# Altium PCB OCP-TimeCardMini-TI_V1.PcbDoc (part 11 of 11)
Units mil, origin at the board's own origin, x right, y up, seen from the top; angles counter-clockwise.
Board outline 5300.46 x 4396.02 mil, 10 copper layers (L01-TOP, L02-GND, L03-SIG, L04-GND, L05-PWR, L06-PWR, L07-GND, L08-SIG, L09-GND, L10-BOT), stack 77.164 mil thick; 832 components, 574 nets, 2904 pads, 1473 vias.
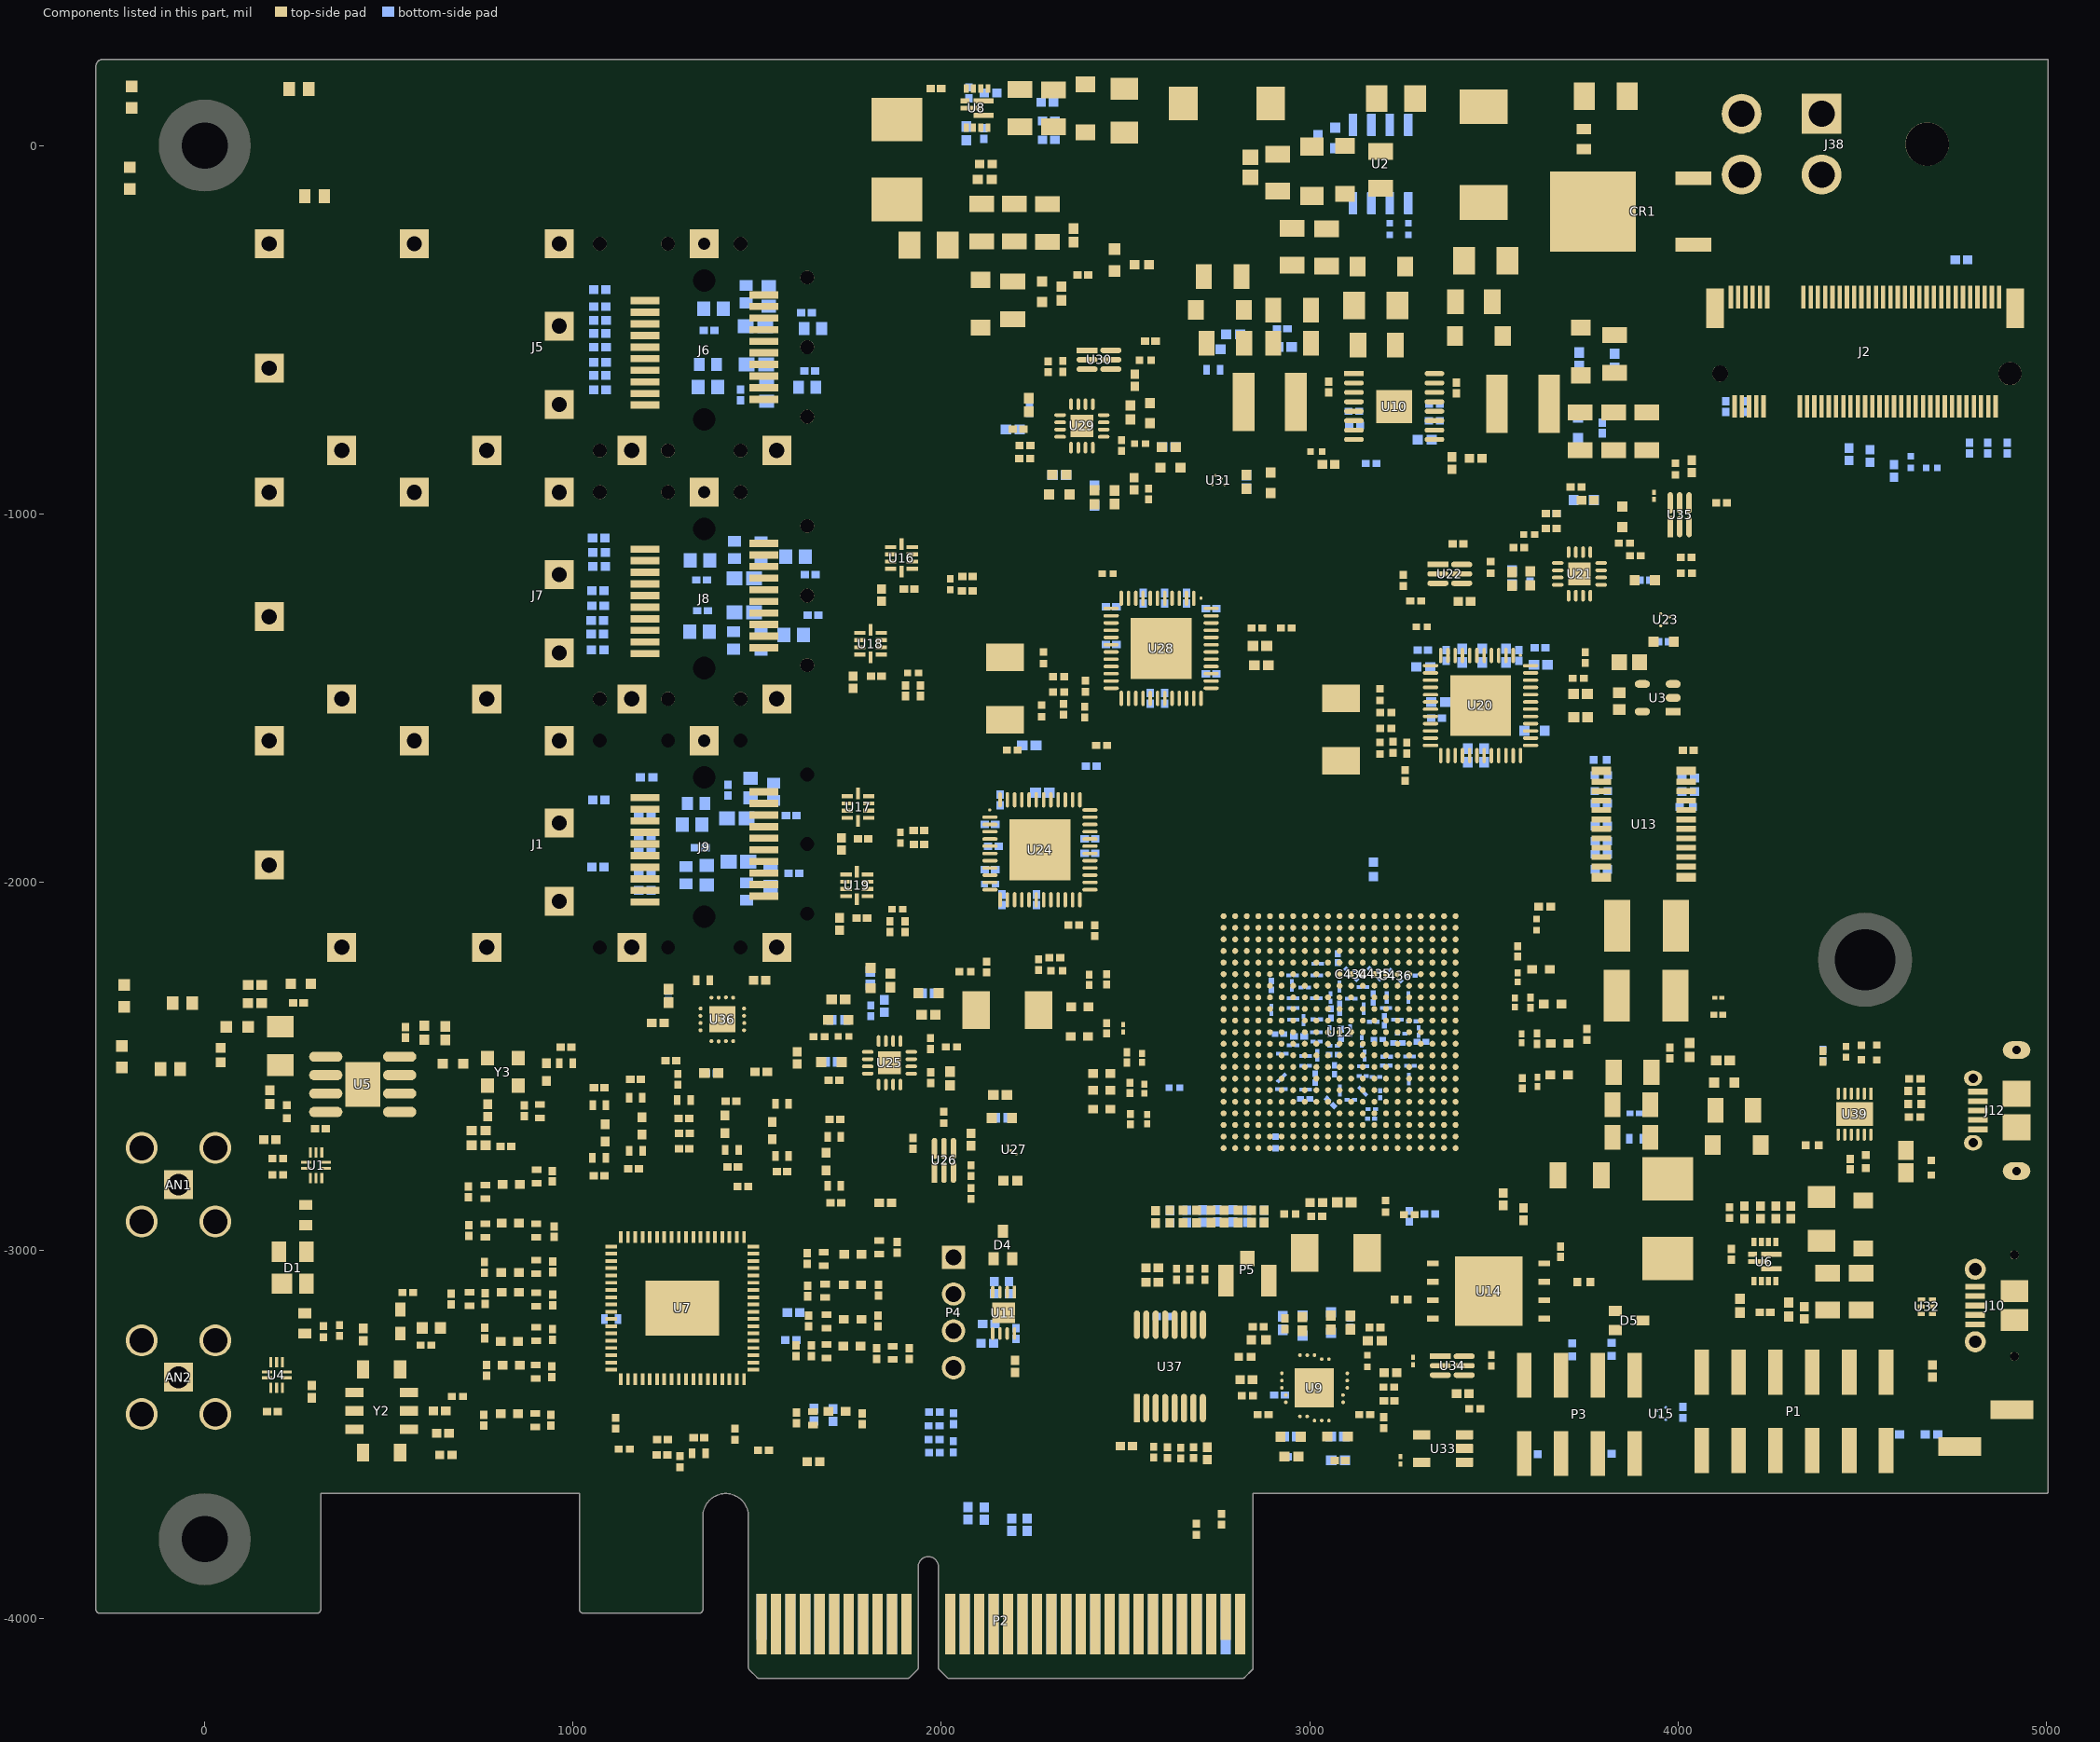
[diagram p19: the components of this part, seen from the top]

## Keep-outs
L02-GND:
  region: 1480.79,-1965.36 1559.53,-1965.36 1559.53,-2016.54 1480.79,-2016.54
  region: 1480.79,-1776.98 1559.53,-1776.98 1559.53,-1828.16 1480.79,-1828.16
  region: 1478.31,-426.82 1557.05,-426.82 1557.05,-478 1478.31,-478
  region: 1478.35,-616.14 1557.09,-616.14 1557.09,-667.32 1478.35,-667.32
  region: 1478.35,-1290.77 1557.09,-1290.77 1557.09,-1341.95 1478.35,-1341.95
  region: 1478.32,-1102.65 1557.06,-1102.65 1557.06,-1153.83 1478.32,-1153.83
Keep-Out Layer:
  rectangle: 1027.56,-3974.9 1342.52,-3839.07

## Other copper
L01-TOP:
  pour cut-out: -338.98,-241.89 1617.13,-241.89 1617.13,-2225.03 -338.98,-2225.03
  pour cut-out: 1276.2,-3328.22 1360.79,-3328.22 1360.79,-3349.59 1272.34,-3349.59
  text "www.timingcard.com" at 255.91,-33.37 h150
L02-GND:
  pour cut-out: 1197.19,-2818.68 1223.36,-2818.68 1223.36,-2844.68 1197.19,-2844.68
  pour cut-out: 1091.65,-2899.87 1091.65,-2873.7 1117.65,-2873.7 1117.65,-2899.87
  pour cut-out: 2097.37,-3508.21 2097.37,-3482.04 2123.37,-3482.04 2123.37,-3508.21
  pour cut-out: 1196.77,-3463.38 1222.94,-3463.38 1222.94,-3489.38 1196.77,-3489.38
  pour cut-out: 1244.41,-3436.22 1270.58,-3436.22 1270.58,-3462.22 1244.41,-3462.22
  pour cut-out: 2343.7,-3421.59 2343.7,-3395.42 2369.7,-3395.42 2369.7,-3421.59
  pour cut-out: 2141.37,-3450.11 2141.37,-3423.94 2167.37,-3423.94 2167.37,-3450.11
  pour cut-out: 2199.23,-3558.95 2225.4,-3558.95 2225.4,-3584.95 2199.23,-3584.95
  pour cut-out: 1476.2,-4166.36 1476.2,-3927.18 2844.31,-3927.18 2844.31,-4176.2
  pour cut-out: 1476.2,-4166.36 1476.2,-3927.18 2844.31,-3927.18 2844.31,-4176.2
L04-GND:
  pour cut-out: 1091.65,-2899.87 1091.65,-2873.7 1117.65,-2873.7 1117.65,-2899.87
  pour cut-out: 1197.19,-2818.68 1223.36,-2818.68 1223.36,-2844.68 1197.19,-2844.68
  pour cut-out: 1244.41,-3436.22 1270.58,-3436.22 1270.58,-3462.22 1244.41,-3462.22
  pour cut-out: 1196.77,-3463.38 1222.94,-3463.38 1222.94,-3489.38 1196.77,-3489.38
  pour cut-out: 2199.23,-3558.95 2225.4,-3558.95 2225.4,-3584.95 2199.23,-3584.95
  pour cut-out: 2343.7,-3421.59 2343.7,-3395.42 2369.7,-3395.42 2369.7,-3421.59
  pour cut-out: 2167.37,-3423.94 2167.37,-3450.11 2141.37,-3450.11 2141.37,-3423.94
  pour cut-out: 2097.37,-3508.21 2097.37,-3482.04 2123.37,-3482.04 2123.37,-3508.21
  pour cut-out: 1476.2,-4166.36 1476.2,-3927.18 2844.31,-3927.18 2844.31,-4176.2
L09-GND:
  pour cut-out: 1091.65,-2899.87 1091.65,-2873.7 1117.65,-2873.7 1117.65,-2899.87
  pour cut-out: 1197.19,-2818.68 1223.36,-2818.68 1223.36,-2844.68 1197.19,-2844.68
  pour cut-out: 1196.77,-3463.38 1222.94,-3463.38 1222.94,-3489.38 1196.77,-3489.38
  pour cut-out: 1244.41,-3436.22 1270.58,-3436.22 1270.58,-3462.22 1244.41,-3462.22
  pour cut-out: 2343.7,-3421.59 2343.7,-3395.42 2369.7,-3395.42 2369.7,-3421.59
  pour cut-out: 2199.23,-3558.95 2225.4,-3558.95 2225.4,-3584.95 2199.23,-3584.95
  pour cut-out: 2167.37,-3423.94 2167.37,-3450.11 2141.37,-3450.11 2141.37,-3423.94
  pour cut-out: 2097.37,-3508.21 2097.37,-3482.04 2123.37,-3482.04 2123.37,-3508.21
  pour cut-out: 2059.36,-3683.56 2059.36,-3744.49 2128.96,-3744.49 2128.96,-3683.86
  pour cut-out: 2178.73,-3714.17 2178.73,-3774.8 2245.9,-3774.8 2245.9,-3714.17
  pour cut-out: 1480.31,-4165.84 1480.31,-3926.67 2848.43,-3926.67 2848.43,-4175.69
L05-PWR:
  pour cut-out: 1476.2,-4166.36 1476.2,-3927.18 2844.31,-3927.18 2844.31,-4176.2
L06-PWR:
  pour cut-out: 1476.2,-4166.36 1476.2,-3927.18 2844.31,-3927.18 2844.31,-4176.2
L07-GND:
  pour cut-out: 1197.19,-2818.68 1223.36,-2818.68 1223.36,-2844.68 1197.19,-2844.68
  pour cut-out: 1091.65,-2899.87 1091.65,-2873.7 1117.65,-2873.7 1117.65,-2899.87
  pour cut-out: 1196.77,-3463.38 1222.94,-3463.38 1222.94,-3489.38 1196.77,-3489.38
  pour cut-out: 1244.41,-3436.22 1270.58,-3436.22 1270.58,-3462.22 1244.41,-3462.22
  pour cut-out: 2343.7,-3421.59 2343.7,-3395.42 2369.7,-3395.42 2369.7,-3421.59
  pour cut-out: 2199.23,-3558.95 2225.4,-3558.95 2225.4,-3584.95 2199.23,-3584.95
  pour cut-out: 2141.37,-3450.11 2141.37,-3423.94 2167.37,-3423.94 2167.37,-3450.11
  pour cut-out: 2097.37,-3508.21 2097.37,-3482.04 2123.37,-3482.04 2123.37,-3508.21
  pour cut-out: 1480.31,-4165.84 1480.31,-3926.67 2848.43,-3926.67 2848.43,-4175.69

## Silkscreen, mask and mechanical layers (free items; w line width, h text height)
Top Overlay:
  lines w10: 4074.8,-2379.9 4074.8,-726.36 4940.94,-726.36 4940.94,-2379.9 4074.8,-2379.9
  text "2242" at 4690.6,-2188.15 h30 r270
Board Layer Stack Bottom Overlay:
  text "OCP-TimeCardMini-TI / Julian St. James / Ahmad Byagowi" at 4865.08,-1195.01 h90 r90
Top Solder:
  rectangle: 1484.25,-4156 2838.58,-3925.68
  text "www.timingcard.com" at 255.91,-33.37 h150
Board Layer Stack Bottom Solder:
  rectangle: 1027.56,-3974.9 1342.52,-3839.07
  rectangle: 1484.25,-4156 2838.58,-3925.68
Mechanical 1:
  lines w3.94: -285.43,223.92 -285.43,-3974.9 305.12,-3974.9 305.12,-3650.09 1027.56,-3650.09 1027.56,-3974.9 1342.52,-3974.9 1342.52,-3721.94 ; 2836.61,-3650.09 2836.61,-4132.38 2816.93,-4152.06 2021.65,-4152.06 2001.97,-4132.38 2001.97,-3858.76 ; 1342.52,-3721.94 cw(c1414.37,-3721.94) 1486.22,-3721.94 ; 1342.52,-3721.94 cw(c1414.37,-3721.94) 1486.22,-3721.94 ; 1486.22,-3721.94 1486.22,-4132.38 1505.91,-4152.06 1907.48,-4152.06 1927.17,-4132.38 1927.17,-3858.76 ; 1927.17,-3858.76 cw(c1964.57,-3858.76) 2001.97,-3858.76 ; 1927.17,-3858.76 cw(c1964.57,-3858.76) 2001.97,-3858.76
OUTLINE:
  lines w3.94: 1342.09,-3720.99 cw(c1413.94,-3720.99) 1485.79,-3720.99
Board Shape:
  lines w10: 5000.02,233.76 cw(c5000.02,228.74) 5005.04,228.74 ; -295.45,-3974.9 ccw(c-285.43,-3974.9) -285.43,-3984.91 305.12,-3984.91 ccw(c305.12,-3974.9) 315.13,-3974.9 315.13,-3660.11 1017.54,-3660.11 1017.54,-3974.9 ccw(c1027.56,-3974.9) 1027.56,-3984.91 1342.52,-3984.91 ccw(c1342.52,-3974.9) 1352.54,-3974.9 1352.54,-3721.94 cw(c1414.37,-3721.94) 1476.2,-3721.94 1476.2,-3721.99 1476.2,-4132.38 ccw(c1486.22,-4132.38) 1479.14,-4139.46 1498.82,-4159.15 ccw(c1505.91,-4152.06) 1505.91,-4162.08 1907.48,-4162.08 ccw(c1907.48,-4152.06) 1914.56,-4159.15 1934.25,-4139.46 ccw(c1927.17,-4132.38) 1937.18,-4132.38 1937.18,-3858.76 cw(c1964.57,-3858.76) 1991.95,-3858.76 1991.95,-4132.38 ccw(c2001.97,-4132.38) 1994.89,-4139.46 2014.57,-4159.15 ccw(c2021.65,-4152.06) 2021.65,-4162.08 2816.93,-4162.08 ccw(c2816.93,-4152.06) 2824.01,-4159.15 2843.7,-4139.46 ccw(c2836.61,-4132.38) 2846.63,-4132.38 2846.63,-3660.11 5000,-3660.11 ccw(c5000,-3655.1) 5005.01,-3655.1 5005.01,233.94 -277.05,233.94 ccw(c-277.05,215.54) -295.45,215.54 -295.45,-3974.9

## Dimensions
1937.18,-3858.76 to 1017.54,-3974.9 on PLACE_BOUND_BOTTOM
1017.54,-3974.9 to 6311.02,212.6 on PLACE_BOUND_BOTTOM

## Text inside footprints (layer, text, board x,y; h text height)
CR1: DIMENSION "*" at 3975.58,-281.63 h50 r90; Top Overlay "*" at 4066.58,-396.63 h50 r90
J10: Mechanical 1 "PCB EDGE" at 4974.41,-3433.07 h11.81 r90
J12: Mechanical 1 "PCB EDGE" at 4958.66,-2395.72 h39.37 r90
P1: Top Overlay "12" at 4605.51,-3318.9 h40; Top Overlay "11" at 4605.51,-3594.49 h40; Top Overlay "2" at 4000.79,-3318.9 h40; Top Overlay "1" at 4012.6,-3594.49 h40
P3: Top Overlay "8" at 3922.83,-3326.77 h40; Top Overlay "7" at 3922.83,-3602.36 h40; Top Overlay "1" at 3529.92,-3602.36 h40; Top Overlay "2" at 3518.11,-3326.77 h40
U1: DIMENSION "*" at 277.29,-2778.16 h50; Top Overlay "*" at 224.29,-2778.16 h50
U4: DIMENSION "*" at 220.29,-3328.9 h50 r180; Top Overlay "*" at 273.29,-3328.9 h50 r180
U7: DIMENSION "*" at 1144.67,-3346.09 h50 r90; Top Overlay "*" at 1144.67,-3403.09 h50 r90
U12: DIMENSION "21" at 3446.68,-2747.35 h50; DIMENSION "1" at 3446.68,-2117.35 h50; DIMENSION "AA" at 2741.18,-1991.85 h50 r270; DIMENSION "A" at 3371.18,-2016.85 h50 r270; Top Overlay "1" at 3410.89,-2042.17 h50; Top Overlay "21" at 3461.33,-2698.85 h50 r270; Top Overlay "AA" at 2713.77,-2129.1 h50 r90; Top Overlay "A" at 3364.68,-2042.17 h50; Board Layer Stack Bottom Overlay "21" at 3371.52,-2777.31 h50 r180; Board Layer Stack Bottom Overlay "1" at 3453.44,-2100.35 h50 r270; Board Layer Stack Bottom Overlay "AA" at 2823.19,-2035.82 h50; Board Layer Stack Bottom Overlay "A" at 3461.66,-2079.16 h50 r270